# Altium PCB XuperMousePCB.PcbDoc (part 1 of 3) (continued)
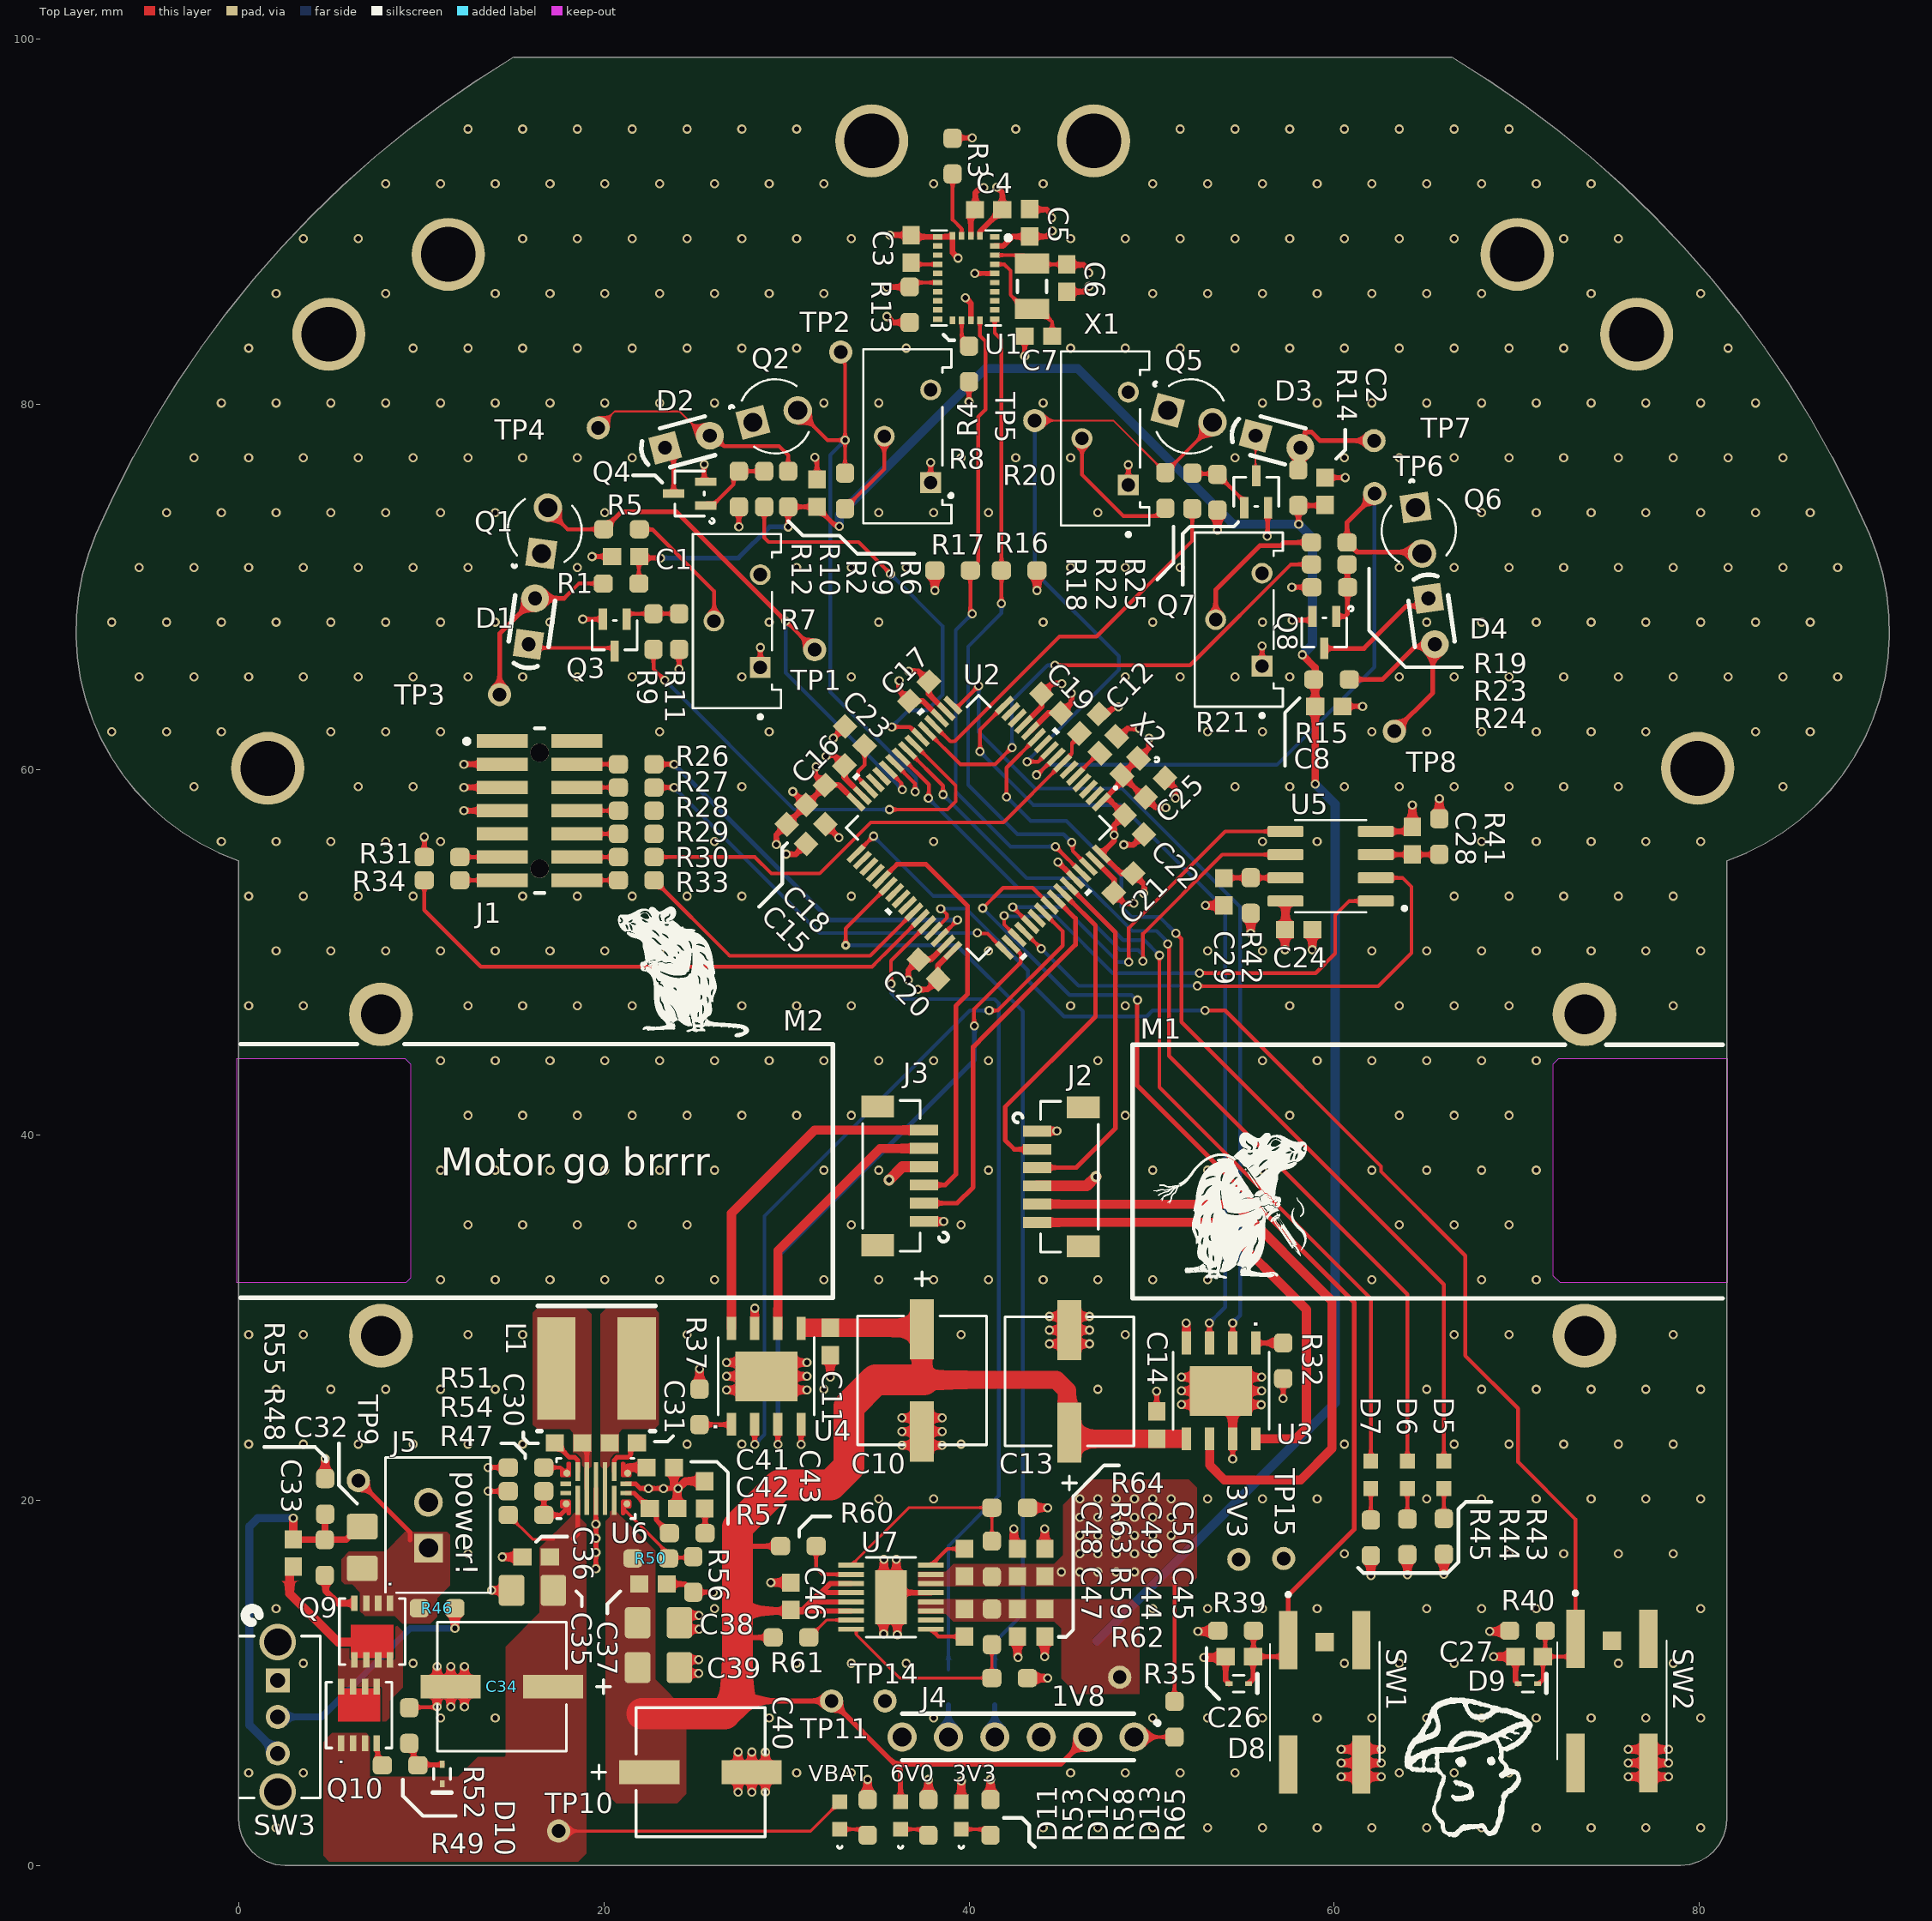
[diagram p0: Top Layer view]
## Design rules (kind name [scope] priority, off if disabled: settings)
BoardOutlineClearance Motor&Switch [InComponent('M1','M2','SW3')] p1: gap=0 ignorepadtopadclearanceinfootprint=FALSE
BoardOutlineClearance BoardOutlineClearance_1 [All] p2: gap=0.2 ignorepadtopadclearanceinfootprint=FALSE
Clearance [All] p1: gap=0.102 ignorepadtopadclearanceinfootprint=TRUE except(0.127: Arc-Via Track-Via SMDPad-Via THPad-Via Via-Via Via-Fill Via-Poly Via-Region Via-Text; 0.25: Arc-Hole Track-Hole SMDPad-Hole THPad-Hole Via-Hole Fill-Hole Poly-Hole Region-Hole Text-Hole)
ComponentClearance ComponentClearance_IRLED [InComponent('D1','Q1','D2','Q2','Q5','D3','Q6','D4')] p1: gap=0 collisioncheckmode=3 verticalgap=0 showdistances=FALSE donotcheckwithout3dbody=TRUE
ComponentClearance [All] p2: gap=0.102 collisioncheckmode=3 verticalgap=0.102 showdistances=TRUE donotcheckwithout3dbody=TRUE
DiffPairsRouting [All] p1: maxlimit=0.102 minlimit=0.102 mostfreqgap=0.102 toplayer_minwidth=0.102 toplayer_maxwidth=1816.048 toplayer_prefwidth=0.102 midlayer1_minwidth=0.102 midlayer1_maxwidth=1816.048 midlayer1_prefwidth=0.102 midlayer2_minwidth=0.102 midlayer2_maxwidth=1816.048 midlayer2_prefwidth=0.102 bottomlayer_minwidth=0.102 bottomlayer_maxwidth=1816.048 bottomlayer_prefwidth=0.102 maxuncoupledlength=12.7
Height [All] p1: minheight=0 maxheight=1816.048 prefheight=12.7
HoleSize [All] p1: absolutevalues=TRUE maxlimit=6.3 minlimit=0.2 maxpercent=80.000 minpercent=20.000
HoleToHoleClearance [All] p1: gap=0.25 allowstackedmicrovias=FALSE
MinimumAnnularRing [All] p1: minimumring=0.076
MinimumSolderMaskSliver [All] p1: minsoldermaskwidth=0
PlaneClearance [All] p1: clearance=0.102
PlaneConnect PlaneConnectPowerPads [InPadClass('PowerPads')] p1: planeconnectstyle=Direct reliefexpansion=0.508 reliefentries=4 reliefconductorwidth=0.254 reliefairgap=0.254
PlaneConnect [All] p2: pad.planeconnectstyle=Relief pad.reliefexpansion=0.3 pad.reliefentries=4 pad.reliefconductorwidth=0.102 pad.reliefairgap=0.102 via.planeconnectstyle=Direct via.reliefexpansion=0.3 via.reliefentries=4 via.reliefconductorwidth=0.127 via.reliefairgap=0.127
PolygonConnect PolygonConnectPowerPads [All vs (InPadClass('PowerPads'))] p1: connectstyle=Direct reliefconductorwidth=0.254 reliefentries=4 polygonreliefangle="90 Angle" airgapwidth=0.254
PolygonConnect [All] p2: connectstyle=Direct reliefconductorwidth=0.102 reliefentries=4 polygonreliefangle="90 Angle" airgapwidth=0.102
RoutingVias [All] p1: holewidth=0.2 width=0.45 viastyle="Through Hole" minholewidth=0.2 minwidth=0.45 maxholewidth=6.3 maxwidth=6.55
SilkToSilkClearance [All] p1: silktosilkclearance=0
SilkToSolderMaskClearance [IsPad] p1: minsilkscreentomaskgap=0.102 clearancetoexposedcopper=TRUE
SolderMaskExpansion [All] p1: expansion=0.075 istentingtop=FALSE
SupplyNets "Schematic Supply Nets_6" [InNet('1V8')] p1: voltage=0.000
SupplyNets "Schematic Supply Nets_5" [InNet('3V3')] p2: voltage=0.000
SupplyNets "Schematic Supply Nets_4" [InNet('VBAT_SAFE')] p3: voltage=0.000
SupplyNets "Schematic Supply Nets_3" [InNet('GND')] p4: voltage=0.000
SupplyNets "Schematic Supply Nets_2" [InNet('6V0')] p5: voltage=0.000
SupplyNets "Schematic Supply Nets" [InNet('VBAT')] p6: voltage=0.000
Width [All] p1: maxlimit=1816.048 minlimit=0.102 preferedwidth=0.102
20 further rules are at their usual default settings.

## Classes and differential pairs
component class PowerSchem: 1V8 3V3 C30 C31 C32 C33 C34 C35 C36 C37 C38 C39 C40 C41 C42 C43 C44 C45 C46 C47 C48 C49 C50 D10 D11 D12 D13 J5 L1 Q9 Q10 R46 R47 R48 R49 R50 R51 R52 R52. R53 R54 R55 R56 R57 R58 R59 R60 R61 R62 R63 R64 R65 SW3 TP9 TP10 TP11 TP14 TP15 U6 U7
component class Control_Schem: C1 C2 C3 C4 C5 C6 C7 C8 C9 C10 C11 C12 C13 C14 C15 C16 C17 C18 C19 C20 C21 C22 C23 C24 C25 C26 C27 C28 C29 D1 D2 D3 D4 D5 D6 D7 D8 D9 J1 J2 J3 J4 M1 M2 Q1 Q2 Q3 Q4 Q5 Q6 Q7 Q8 R1 R2 R3 R4 R5 R6 R7 R8 R9 R10 R11 R12 R13 R14 R15 R16 R17 R18 R19 R20 R21 R22 R23 R24 R25 R26 R27 R28 R29 R30 R31 R32 R33 R34 R35 R36 R37 R38 R39 R40 R41 R42 R43 R44 R45 SW1 SW2 TP1 TP2 TP3 TP4 TP5 TP6 TP7 TP8 U1 U2 U3 U4 U5 X1 X2

## Components (designator, comment, footprint, x,y, rotation, side; value= is the part's Value field where it differs from the comment)
1V8 "1V8" TP-TH 48.25,10.3 r90 top (schematic designator TP12)
3V3 "3V3" TP-TH 54.775,16.75 r180 top (schematic designator TP13)
C1 "100n" CAP_0603 21.2,71.65 r0 top
C2 "100n" CAP_0603 59.5,75.225 r270 top
C3 "1u" CAP_0603 36.825,88.5 r270 top
C4 "100n" CAP_0603 41.075,90.65 r0 top
C5 "100n" CAP_0603 43.325,89.925 r90 top
C6 "5p" CAP_0603 45.35,86.9 r90 top
C7 "5p" CAP_0603 43.8,83.725 r0 top
C8 "100n" CAP_0603 59.7,63.45 r180 top
C9 "100n" CAP_0603 31.675,75.125 r270 top
C10 "120u" PCAP_SVP_C6_PAN-M 37.425,26.55 r270 top
C11 "100n" CAP_0603 32.4,28.675 r270 top
C12 "100n" CAP_0603 46.575,62.5 r225 top
C13 "120u" PCAP_SVP_C6_PAN-M 45.498,26.5 r90 top
C14 "100n" CAP_0603 50.275,24.1 r90 top
C15 "4u7" CAP_0603 30.555,56.458 r135 top
C16 "100n" CAP_0603 32.65,59.675 r225 top
C17 "100n" CAP_0603 37.275,64.275 r225 top
C18 "100n" CAP_0603 31.605,57.533 r135 top
C19 "100n" CAP_0603 44.5,63.6 r135 top
C20 "100n" CAP_0603 37.775,49.05 r315 top
C21 "100n" CAP_0603 48.45,53.775 r45 top
C22 "100n" CAP_0603 49.05,56.975 r135 top
C23 "4u7" CAP_0603 33.75,61.825 r315 top
C24 "100n" CAP_0603 58.05,51.225 r180 top
C25 "100n" CAP_0603 50.2,59 r225 top
C26 "100n" CAP_0603 54.8,11.425 r0 top
C27 "100n" CAP_0603 70.675,11.425 r0 top
C28 "100n" CAP_0603 64.275,56.1 r270 top
C29 "100n" CAP_0603 53.95,53.3 r90 top
C30 "100n" CAP_0603 18.072,23.132 r0 top
C31 "100n" CAP_0603 21.072,23.132 r0 top
C32 "10u" CAP_0805 6.775,17.4 r270 top
C33 "1u" CAP_0603 3,17.1 r270 top
C34 "120u" PCAP_SVP_C6_PAN-M 14.422,9.782 r180 top
C35 "10u" CAP_0805 16.097,15.057 r0 top
C36 "1u" CAP_0603 16.297,16.882 r0 top
C37 "1u" CAP_0603 22.7,15.4 r180 top
C38 "22u" CAP_0805 22.997,13.282 r180 top
C39 "22u" CAP_0805 22.997,10.832 r180 top
C40 "180u" PCAP_SVP_C6_PAN-M 25.3,5.1 r0 top
C41 "4u7" CAP_0603 23.097,21.782 r180 top
C42 "56p" CAP_0603 23.272,19.532 r180 top
C43 "15n" CAP_0603 25.522,20.282 r270 top
C44 "4k7" CAP_0603 42.65,13.278 r90 top
C45 "4u7" CAP_0603 44.15,13.278 r90 top
C46 "4u7" CAP_0603 30.25,14.728 r270 top
C47 "10n" CAP_0603 39.75,13.278 r90 top
C48 "10n" CAP_0603 39.75,16.578 r270 top
C49 "4k7" CAP_0603 42.65,16.578 r270 top
C50 "4u7" CAP_0603 44.15,16.578 r270 top
D1 "SFH 4545" SFH4545 15.883,66.852 r82 top
D2 "SFH 4545" SFH4545 23.358,77.611 r15 top
D3 "SFH 4545" SFH4545 55.688,78.268 r345 top
D4 "SFH 4545" SFH4545 65.151,69.367 r278 top
D5 "LED_White" LED_0603 66,21.382 r90 top
D6 "LED_Blue" LED_0603 64,21.382 r90 top
D7 "LED_Red" LED_0603 62,21.382 r90 top
D8 "65pF" SOD-923 54.768,9.95 r180 top
D9 "65pF" SOD-923 70.6,9.95 r180 top
D10 "65pF" SOD-923 11.15,5 r90 top
D11 "LED_Green" LED_0603 32.925,2.725 r90 top
D12 "LED_Green" LED_0603 36.25,2.725 r90 top
D13 "LED_Green" LED_0603 39.575,2.725 r90 top
J1 "STDC14_DebugConnector" STM32_ProgrammingHeader 16.49,57.742 r270 top
J2 "6POS" JST_BM06B-SRSS-TB 45.498,37.7 r90 top
J3 "6POS" JST_BM06B-SRSS-TB 35.75,37.75 r270 top
J4 "6POS" P2.54_6POS 49.035,7.025 r0 top
J5 "2POS" JST_B2B-XH-A 10.925,18.625 r270 top
L1 "8u2" IND_SRP1265A-6R8M 19.6,27.2 r0 top
M1 "Pololu_MicroMetal" PololuMicroMetal 70.25,38 r0 top
M2 "Pololu_MicroMetal" PololuMicroMetal 11.25,38 r180 top
Q1 "TEFT4300" TEFT4300 16.763,73.079 r82 top
Q2 "TEFT4300" TEFT4300 29.395,79.33 r15 top
Q3 "BSS138PW,115" SOT23-3 20.6,67.35 r180 top
Q4 "BSS138PW,115" SOT23-3 24.7,75.1 r90 top
Q5 "TEFT4300" TEFT4300 52.105,79.33 r345 top
Q6 "TEFT4300" TEFT4300 64.624,73.074 r278 top
Q7 "BSS138PW,115" SOT23-3 55.725,75.2 r0 top
Q8 "BSS138PW,115" SOT23-3 59.45,67.499 r180 top
Q9 "FDMC510P" WDFN8_3.3X3.3 7.325,12.8 r270 top
Q10 "FDMC510P" WDFN8_3.3X3.3 6.6,8.225 r90 top
R1 "3R" RES_0603 20.95,70.175 r0 top
R2 "3R" RES_0603 30.1,75.35 r270 top
R3 "10k" RES_0603 39.1,93.575 r270 top
R4 "10k" RES_0603 40,82.2 r270 top
R5 "1k8" RES_0603 20.975,73.15 r0 top
R6 "1k8" RES_0603 33.213,75.25 r270 top
R7 "POT" TRIM_3296Y-1-203LF 27.3,68.125 r90 top value=20kΩ
R8 "POT" TRIM_3296Y-1-203LF 36.63,78.24 r90 top value=20kΩ
R9 "100R" RES_0603 22.725,67.55 r270 top
R10 "100R" RES_0603 28.787,75.35 r270 top
R11 "10k" RES_0603 24.125,67.55 r270 top
R12 "10k" RES_0603 27.4,75.35 r270 top
R13 "10k" RES_0603 36.75,85.445 r90 top
R14 "3R" RES_0603 58.025,75.425 r270 top
R15 "3R" RES_0603 59.85,64.925 r180 top
R16 "4k99" RES_0603 42.75,70.896 r180 top
R17 "4k99" RES_0603 39.1,70.896 r0 top
R18 "1k8" RES_0603 50.75,75.275 r270 top
R19 "1k8" RES_0603 59.725,72.425 r180 top
R20 "POT" TRIM_3296Y-1-203LF 47.455,78.115 r90 top value=20kΩ
R21 "POT" TRIM_3296Y-1-203LF 54.775,68.2 r90 top value=20kΩ
R22 "100R" RES_0603 52.225,75.25 r270 top
R23 "100R" RES_0603 59.725,71.225 r180 top
R24 "10k" RES_0603 59.75,69.975 r180 top
R25 "10k" RES_0603 53.6,75.175 r270 top
R26 "0R" RES_0603 21.775,60.282 r0 top
R27 "0R" RES_0603 21.775,59.012 r0 top
R28 "DNI" RES_0603 21.775,57.742 r0 top
R29 "DNI" RES_0603 21.775,56.472 r0 top
R30 "0R" RES_0603 21.775,55.202 r180 top
R31 "0R" RES_0603 11.15,55.202 r180 top
R32 "1k1" RES_0603 57.2,27.625 r270 top
R33 "0R" RES_0603 21.775,53.932 r180 top
R34 "0R" RES_0603 11.15,53.932 r180 top
R35 "10k" RES_0603 51.25,8 r90 top
R36 "0R" RES_0603 41.415,9.753 r90 bottom
R37 "1k1" RES_0603 25.245,25.102 r90 top
R38 "0R" RES_0603 38.875,9.753 r90 bottom
R39 "10k" RES_0603 54.6,12.85 r0 top
R40 "10k" RES_0603 70.575,12.85 r0 top
R41 "10k" RES_0603 65.75,56.325 r270 top
R42 "10k" RES_0603 55.425,53.1 r90 top
R43 "470R" RES_0603 66,18.007 r270 top
R44 "470R" RES_0603 64,17.982 r270 top
R45 "1k3" RES_0603 62,17.932 r270 top
R46 "0R" RES_0603 10.875,14.075 r180 top
R47 "383k" RES_0603 15.747,19.182 r180 top
R48 "100R" RES_0603 4.725,16.85 r270 top
R49 "1k8" RES_0603 8.85,5.475 r180 top
R50 "102k" RES_0603 22.575,16.8 r180 top
R51 "24k9" RES_0603 15.747,21.782 r180 top
R52 "100k" RES_0603 9.35,7.65 r270 top value=0
R53 "2k1" RES_0603 34.45,2.625 r270 top
R54 "100k" RES_0603 15.747,20.482 r0 top
R55 "100k" RES_0603 4.75,20.2 r270 top
R56 "4k99" RES_0603 24.9,15.925 r90 top
R57 "14k7" RES_0603 24.572,18.182 r180 top
R58 "2k1" RES_0603 37.775,2.625 r270 top
R59 "113k" RES_0603 41.25,13.053 r90 top
R60 "10k" RES_0603 30.65,17.478 r180 top
R61 "10k" RES_0603 30.25,12.478 r180 top
R62 "237k" RES_0603 42.225,10.253 r180 top
R63 "357k" RES_0603 41.25,16.778 r270 top
R64 "210k" RES_0603 42.225,19.578 r180 top
R65 "470R" RES_0603 41.175,2.625 r270 top
SW1 "EVQ-Q2S03W" EVQQ2S03W 59.475,8.925 r270 top
SW2 "EVQ-Q2S03W" EVQQ2S03W 75.2,9 r270 top
SW3 "SW_SPDT" OS102011MA1QN1_CNK 2.15,10.125 r270 top
TP1 "TP" TP-TH 31.55,66.55 r180 top
TP2 "TP" TP-TH 32.975,82.85 r180 top
TP3 "TP" TP-TH 14.3,64.1 r180 top
TP4 "TP" TP-TH 19.7,78.7 r180 top
TP5 "TP" TP-TH 43.6,79.1 r90 top
TP6 "TP" TP-TH 62.2,75.1 r90 top
TP7 "TP" TP-TH 62.175,78 r180 top
TP8 "TP" TP-TH 63.285,62.087 r270 top
TP9 "GND" TP-TH 6.56,21.065 r180 top
TP10 "GND" TP-TH 17.525,1.875 r180 top
TP11 "GND" TP-TH 32.475,9 r180 top
TP14 "GND" TP-TH 35.4,9 r180 top
TP15 "GND" TP-TH 57.225,16.8 r180 top
U1 "BNO055" LGA28_5.2X3.8 39.846,86.904 r270 top
U2 "STM32F411RET6TR" LQFP-64_10X10 40.525,56.8 r225 top
U3 "DRV8251ADDAR" SOIC-8_EPAD 53.8,25.975 r270 top
U4 "DRV8251ADDAR" SOIC-8_EPAD 28.9,26.775 r90 top
U5 "W25Q128JVSIQ" SOIC-8 59.8,54.7 r180 top
U6 "TPS55285VALR" WQFN-HF(VAL) 19.572,20.632 r0 top
U7 "LT3029EDE#PBF" MSOP-16_MSE 35.726,14.678 r180 top
X1 "32k768Hz" FP-ABS07-MFG 43.45,86.45 r270 top
X2 "SG-210STF 24.0000ML0" OSC_4-SMD(2.5x2) 48.225,60.75 r225 top

## Footprints (in the part's own frame and the unit in brackets; to place one, negate y for a bottom-side part, rotate by r counter-clockwise, add the part's x,y. Pads: shape width x height; smd on the part's side, far side on the other; paste and mask are expansions set on the pad)
CAP_0603 [mm]
  rect 1x0.95 smd: 1(-0.75,0) 2(0.75,0)
  body extent -0.85,-0.45 0.85,0.45, height 0.9
CAP_0805 [mm]
  rrect25% 1.4x1.7 smd: 1(-1.143,0) 2(1.143,0)
  body extent -1.15,-0.76 1.15,0.79, height 1.01
EVQQ2S03W [mm]
  rect 3.2x1 smd: A1(-3.4,-2) A2(3.4,-2) B1(-3.4,2) B2(3.4,2)
  rect 1x1 smd: G1(-3.3,0)
  silkscreen extent -6,-3 3.25,3, body extent -4.9,-3 4.9,3, height 3.4
FP-ABS07-MFG [mm]
  rect 1.1x1.9 smd paste+0 mask+0: 1(-1.25,0) 2(1.25,0)
  silkscreen extent -0.33,-0.8 0.33,0.8, body extent -1.9,-1.05 1.9,1.05, height 0.25
IND_SRP1265A-6R8M [mm]
  rect 2.1x5.6 smd: 1(-2.2,0) 2(2.2,0)
  silkscreen extent -3.23,-3.43 3.23,3.43, body extent -3.2,-3.3 3.2,3.3, height 5.86
JST_B2B-XH-A [mm]
  rect 1.575x1.575 / inner round 1.575 / far side rect 1.575x1.575 hole 1.05: 1(1.25,-0.525)
  round 1.575 hole 1.05: 2(-1.25,-0.525)
  silkscreen extent -3.7,-2.88 3.7,2.88, body extent -3.7,-2.88 3.7,2.88, height 7
JST_BM06B-SRSS-TB [mm]
  rect 1.2x1.8 smd paste+0 mask+0: 0(-3.8,-0.752) 0(3.8,-0.752)
  rect 0.6x1.55 smd paste+0 mask+0: 1(2.5,1.773) 2(1.5,1.773) 3(0.5,1.773) 4(-0.5,1.773) 5(-1.5,1.773) 6(-2.5,1.773)
  silkscreen extent -4.13,-1.57 4.13,3.08, body extent -4,-1.46 4,2.14, height 4.25
LED_0603 [mil]
  rect 32x32 smd paste+0 mask+0: 1(-29.53,0) 2(29.53,0)
  body extent -31,-16 31,16, height 14
LGA28_5.2X3.8 [mm]
  rect 0.3x0.525 smd: 1(-2.25,1.562) 6(-2.25,-1.562) 7(-1.75,-1.562) 8(-1.25,-1.562) 9(-0.75,-1.562) 10(-0.25,-1.562) 11(0.25,-1.562) 12(0.75,-1.562) 13(1.25,-1.562) 14(1.75,-1.562) 15(2.25,-1.562) 20(2.25,1.562) 21(1.75,1.562) 22(1.25,1.562) 23(0.75,1.562) 24(0.25,1.562) 25(-0.25,1.562) 26(-0.75,1.562) 27(-1.25,1.562) 28(-1.75,1.562)
  rect 0.425x0.3 smd: 2(-2.312,0.75) 3(-2.312,0.25) 4(-2.312,-0.25) 5(-2.312,-0.75) 16(2.312,-0.75) 17(2.312,-0.25) 18(2.312,0.25) 19(2.312,0.75)
  silkscreen extent -2.6,-1.9 2.6,2.4, body extent -2.6,-1.9 2.6,1.9, height 1.18
LQFP-64_10X10 [mm]
  rect 1.194x0.305 smd paste+0 mask+0: 1(-5.75,3.75) 2(-5.75,3.25) 3(-5.75,2.75) 4(-5.75,2.25) 5(-5.75,1.75) 6(-5.75,1.25) 7(-5.75,0.75) 8(-5.75,0.25) 9(-5.75,-0.25) 10(-5.75,-0.75) 11(-5.75,-1.25) 12(-5.75,-1.75) 13(-5.75,-2.25) 14(-5.75,-2.75) 15(-5.75,-3.25) 16(-5.75,-3.75) 33(5.75,-3.75) 34(5.75,-3.25) 35(5.75,-2.75) 36(5.75,-2.25) 37(5.75,-1.75) 38(5.75,-1.25) 39(5.75,-0.75) 40(5.75,-0.25) 41(5.75,0.25) 42(5.75,0.75) 43(5.75,1.25) 44(5.75,1.75) 45(5.75,2.25) 46(5.75,2.75) 47(5.75,3.25) 48(5.75,3.75)
  rect 0.305x1.194 smd paste+0 mask+0: 17(-3.75,-5.75) 18(-3.25,-5.75) 19(-2.75,-5.75) 20(-2.25,-5.75) 21(-1.75,-5.75) 22(-1.25,-5.75) 23(-0.75,-5.75) 24(-0.25,-5.75) 25(0.25,-5.75) 26(0.75,-5.75) 27(1.25,-5.75) 28(1.75,-5.75) 29(2.25,-5.75) 30(2.75,-5.75) 31(3.25,-5.75) 32(3.75,-5.75) 49(3.75,5.75) 50(3.25,5.75) 51(2.75,5.75) 52(2.25,5.75) 53(1.75,5.75) 54(1.25,5.75) 55(0.75,5.75) 56(0.25,5.75) 57(-0.25,5.75) 58(-0.75,5.75) 59(-1.25,5.75) 60(-1.75,5.75) 61(-2.25,5.75) 62(-2.75,5.75) 63(-3.25,5.75) 64(-3.75,5.75)
  silkscreen extent -6.93,-6.85 6.85,6.85, body extent -6,-6 6,6, height 1.6
MSOP-16_MSE [mil]
  rect 55x11 smd: 1(-86,68.95) 2(-86,49.25) 3(-86,29.55) 4(-86,9.85) 5(-86,-9.85) 6(-86,-29.55) 7(-86,-49.25) 8(-86,-68.95) 9(86,-68.95) 10(86,-49.25) 11(86,-29.55) 12(86,-9.85) 13(86,9.85) 14(86,29.55) 15(86,49.25) 16(86,68.95)
  rect 69x116 smd paste-78.74: 17(0,0)
  silkscreen extent -53,-86 53,86, body extent -96,-80 96,80, height 43
OS102011MA1QN1_CNK [mil]
  rect 52x52 hole 32 paste-99999 mask+0: 1(0,0)
  round 52 hole 32 paste-99999 mask+0: 2(78.74,0) 3(157.48,0)
  silkscreen extent -155,-82 253,92, body extent -94,-240 245,90, height 185
OSC_4-SMD(2.5x2) [mm]
  rect 0.889x1.092 smd paste+0 mask+0: 1(-0.65,0.85) 2(-0.65,-0.85) 3(0.65,-0.85) 4(0.65,0.85)
  silkscreen extent -1.42,1.47 -1.17,1.73, body extent -1.08,-1.32 1.08,1.32, height 0.89
P2.54_6POS [mil] "2.54mm 6 position 0.1\" male header pins"
  round 63 / inner round 60 / far side round 63 hole 40 paste-99999 mask+0: 1(0,0) 2(-100,0) 3(-200,0) 4(-300,0) 5(-400,0) 6(-500,0)
  silkscreen extent -500,-50 54,50
PCAP_SVP_C6_PAN-M [mm]
  rect 3.291x1.313 smd paste+0 mask+0: 1(-2.801,0) 2(2.801,0)
  silkscreen extent -5.95,-3.53 3.53,3.53, body extent -3.75,-3.4 3.75,3.4, height 6.05
PololuMicroMetal [mm]
  silkscreen extent -21.3,-6.96 11.01,6.93, body extent -21.18,-13.25 20.82,13.25, height 13.08
RES_0603 [mm]
  rrect50% 1.05x1 smd: 1(-0.975,0) 2(0.975,0)
  body extent -0.75,-0.45 0.75,0.45, height 0.55
SFH4545 [mil]
  rect 60x60 hole 30: 1(0,0)
  round 60 hole 30: 2(100,0)
  silkscreen extent -51,-43 100,43, body extent -57,-9 149,682, height 305
SOD-923 [mil]
  rect 14.87x10 smd paste+0 mask+0: 1(-20.94,0) 2(20.94,0)
  silkscreen extent -40,-20 12,20, body extent -21,-13 21,13, height 16
SOIC-8 [mm]
  rrect25% 1.97x0.6 smd: 1(-2.47,1.905) 2(-2.47,0.635) 3(-2.47,-0.635) 4(-2.47,-1.905) 5(2.47,-1.905) 6(2.47,-0.635) 7(2.47,0.635) 8(2.47,1.905)
  silkscreen extent -4.14,-2.52 1.95,2.52, body extent -3,-2.45 3,2.45, height 1.75
SOIC-8_EPAD [mil]
  rect 49.5x20 smd paste+0 mask+0: 1(-103.25,75) 2(-103.25,25) 3(-103.25,-25) 4(-103.25,-75) 5(103.25,-75) 6(103.25,-25) 7(103.25,25) 8(103.25,75)
  rect 107x134 smd paste-66.5 mask+0: 9(0,0)
  silkscreen extent -84,-104 84,104, body extent -122,-99 122,99, height 67
SOT23-3 [mil]
  rect 18x46 smd paste+0 mask+0: 1(-25.59,-34.5) 2(25.59,-34.5) 3(0,34.5)
  silkscreen extent -49,-32 49,32, body extent -44,-44 44,44, height 43
STM32_ProgrammingHeader [mm]
  rect 0.74x2.79 smd paste+0 mask+0: 1(-3.81,-2.035) 2(-3.81,2.035) 3(-2.54,-2.035) 4(-2.54,2.035) 5(-1.27,-2.035) 6(-1.27,2.035) 7(0,-2.035) 8(0,2.035) 9(1.27,-2.035) 10(1.27,2.035) 11(2.54,-2.035) 12(2.54,2.035) 13(3.81,-2.035) 14(3.81,2.035)
  round 1.02 hole 1.02 unplated paste-2539.97 mask+0: ""(-3.175,0) ""(3.175,0)
  silkscreen extent -4.51,-4.11 4.51,0.27, body extent -4.61,-3.53 4.61,3.53, height 0.25
TEFT4300 [mm]
  rect 1.56x1.56 / inner round 1.56 / far side rect 1.56x1.56 hole 1.04: 1(-1.27,0)
  round 1.56 hole 1.04: 2(1.27,0)
  silkscreen extent -2.21,-2.03 1.55,2.03, body extent -1.63,-0.2 1.57,13.8, height 6.94
TP-TH [mm] "Through hole test point meant to fit 1/4W resistor leg"
  round 1.27 hole 0.75: 1(0,0)
TRIM_3296Y-1-203LF [mm]
  rect 1.14x1.14 / inner round 1.14 / far side rect 1.14x1.14 hole 0.74: 1(-2.54,-1.27)
  round 1.14 hole 0.74: 2(0,1.27) 3(2.54,-1.27)
  silkscreen extent -5.35,-2.41 4.76,2.42, body extent -4.76,-2.41 4.76,2.41, height 11.55
WDFN8_3.3X3.3 [mil] "WDFN8 pin 3.3x3.3mm 0.65mm pitch"
  rect 34x14 smd paste+0 mask+0: 1(-61,38.39) 2(-61,12.8) 3(-61,-12.8) 4(-61,-38.39) 5(61,-38.39) 6(61,-12.8) 7(61,12.8) 8(61,38.39)
  Top Layer region: -13.85,-45.5 -13.85,45.5 57.15,45.5 57.15,-45.5
  silkscreen extent -71,-71 71,71, body extent -66,-66 66,66, height 32
WQFN-HF(VAL) [mm]
  round 0.388 smd paste+0 mask+0: 1(-1.591,0.841) 4(-1.627,-0.839) 10(1.698,-0.839) 13(1.734,0.841)
  rect 0.6x0.25 smd paste+0 mask+0: 2(-1.65,0.25) 3(-1.65,-0.25) 11(1.65,-0.25) 12(1.65,0.25)
  rect 0.25x1.6 smd paste+0 mask+0: 5(-1,-0.65) 9(1,-0.65)
  rect 0.25x2.9 smd paste+0 mask+0: 6(-0.5,0) 7(0,0) 8(0.5,0)
  rect 0.25x1.05 smd paste+0 mask+0: 14(1,0.925) 15(-1,0.925)
  Top Layer region: 1.425,0.625 1.9,0.625 1.95,0.675 1.95,1.025 1.9,1.075 1.65,1.075 1.6,1.125 1.6,1.4 1.55,1.45 1.425,1.45 1.375,1.4 1.375,0.675
  Top Layer region: 1.425,-0.625 1.9,-0.625 1.95,-0.675 1.95,-1.025 1.9,-1.075 1.65,-1.075 1.6,-1.125 1.6,-1.4 1.55,-1.45 1.425,-1.45 1.375,-1.4 1.375,-0.675
  Top Layer region: -1.425,-0.625 -1.9,-0.625 -1.95,-0.675 -1.95,-1.025 -1.9,-1.075 -1.65,-1.075 -1.6,-1.125 -1.6,-1.4 -1.55,-1.45 -1.425,-1.45 -1.375,-1.4 -1.375,-0.675
  Top Layer region: -1.425,0.625 -1.9,0.625 -1.95,0.675 -1.95,1.025 -1.9,1.075 -1.65,1.075 -1.6,1.125 -1.6,1.4 -1.55,1.45 -1.425,1.45 -1.375,1.4 -1.375,0.675
  silkscreen extent -2.15,-1.65 2.15,1.65, body extent -1.75,-1.25 1.75,1.25, height 0.8
